# Altium PCB AMP.PcbDoc (part 2 of 5)
Units mil, origin at the board's own origin, x right, y up, seen from the top; angles counter-clockwise.
Board outline 6850 x 4750 mil, 6 copper layers (Top Layer, InternalPlane1, MidLayer1, InternalPlane2, InternalPlane3, Bottom Layer); 484 components, 340 nets, 1840 pads, 888 vias.
Unrouted connection lines stored in the file: 22.
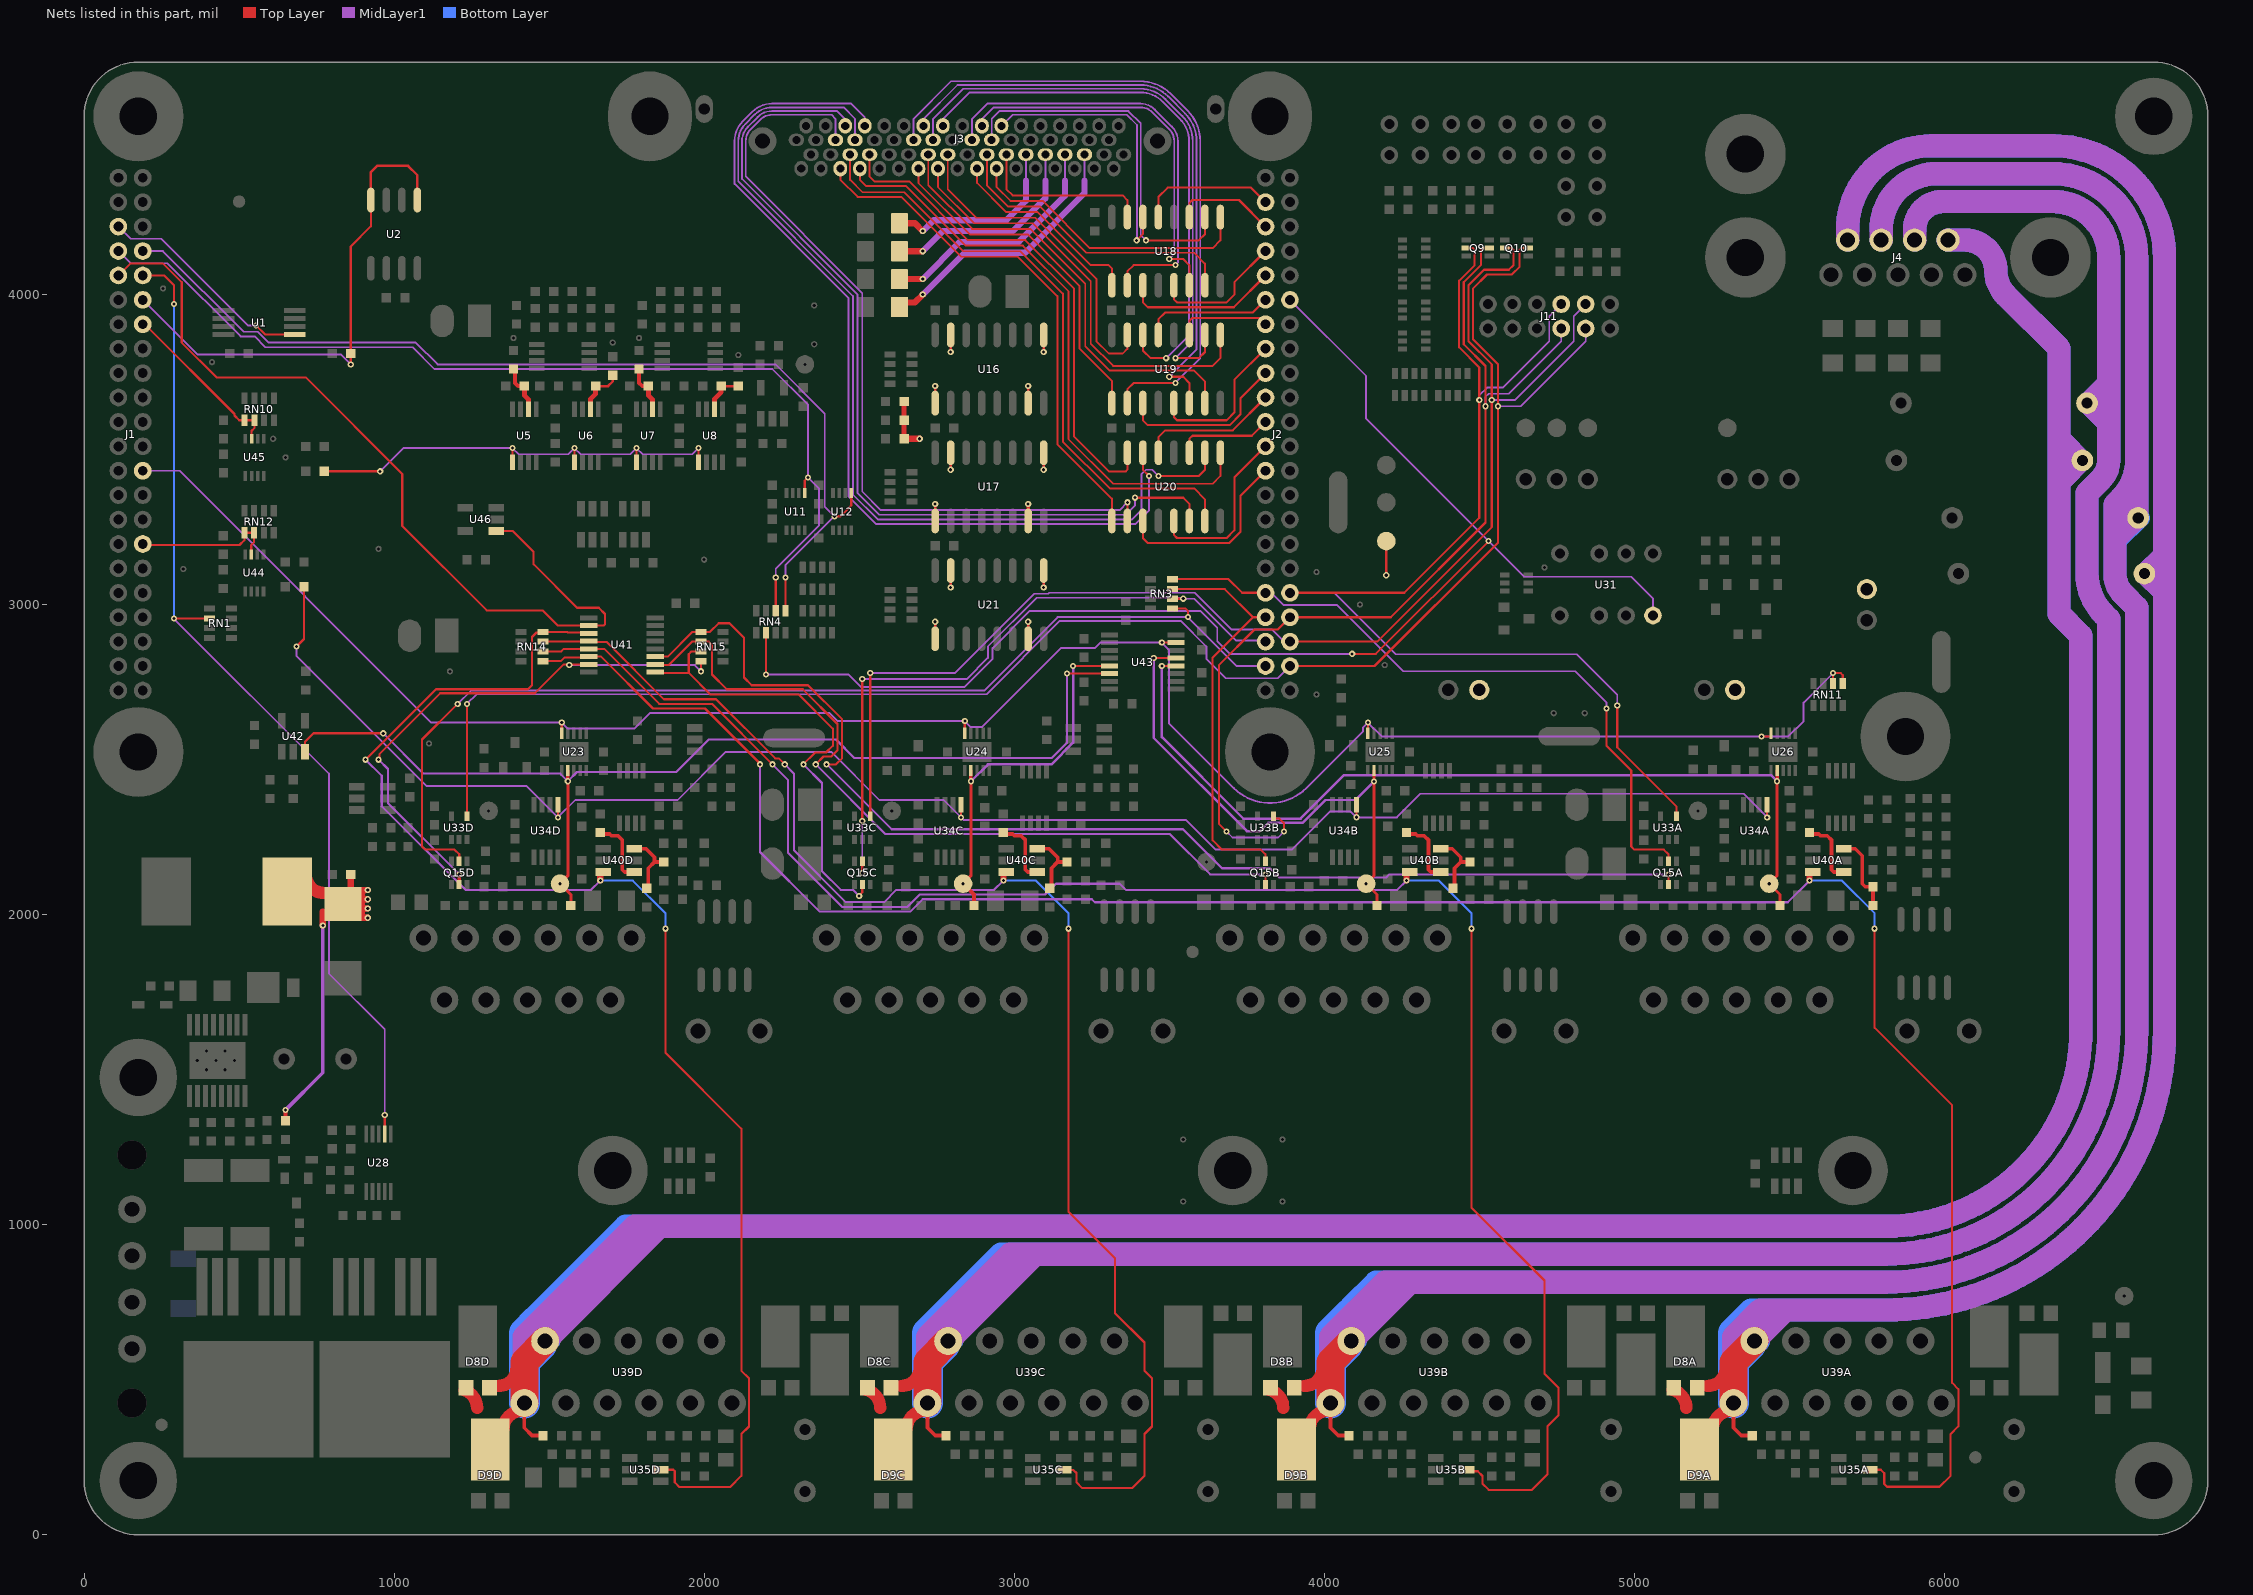
[diagram p6: the nets of this part, all layers, seen from the top]

## Part data
C1 C2 C3 C4 C5 C6 C7 C8 C9 C10 C11 C12 C14 C15 C16 C24 C34 C35 C36 C37 C39 C40 C41 C42 C43 C46 C47 C48 C55 C56 C57 C59 C61 C62 C65A C65B C65C C65D C66A C66B C66C C66D C67A C67B C67C C67D C68A C68B C68C C68D C69A C69B C69C C69D C70A C70B C70C C70D C71A C71B C71C C71D C73A C73B C73C C73D C76A C76B C76C C76D C77A C77B C77C C77D C78A C78B C78C C78D C79A C79B C79C C79D C82A C82B C82C C82D C87 C88 C92 C93 C96 C97 C98 C99 C100 C101 C102 C103 C104: library part CAP-GND
C13 C27 C28 C29 C30 C31 C63 C64 C72A C72B C72C C72D C75A C75B C75C C75D C89A C89B C89C C89D C90A C90B C90C C90D C105: library part CAP
C17 C18 C19: library part CAP-POL-GND, Voltage=10V
C20 C21 C22 C23: library part CAP-POL-GND, Voltage=6V
C25: library part CAP-POL-GND, Voltage=20V
C26 C85A C85B C85C C85D: library part CAP-POL-GND, Voltage=63V
C32 C33 C38 C44 C45 C49 C50 C51 C52 C53 C54 C58 C60 C80A C80B C80C C80D C81A C81B C81C C81D: library part CAP-MINI
C74A C74B C74C C74D: library part CAP, Package=(1206), Voltage=100V
C83A C83B C83C C83D C84A C84B C84C C84D C86A C86B C86C C86D: library part CAP, Voltage=100V
C91A C91B C91C C91D: library part CAP-MINI, Voltage=100V
C94 C95: library part CAP-GND, Voltage=100V
D1 D2: library part LED-DUAL-2C
D3: library part LED-QUAD
D4: library part ZENER-DUAL-CC, Voltage=6.8V
D5 D6 D13: library part DIODE
D7: library part "DIODE GND/A"
D8A D8B D8C D8D D9A D9B D9C D9D D10A D10B D10C D10D D11A D11B D11C D11D: library part DIODE-SOT23
D12: library part ZENER-DUAL-TVS, Voltage=60V
J3: "Molex Part #71430-0008"
J11: library part "HEADER 6X2-1"
L1: library part INDUCTOR-MINI
M1 M2 M3 M4 M5 M6 M7 M8 M9 M10 M11 M12 M13: "Mounting Hole"
Q1 Q2 Q12: library part NPN-SM
Q5 Q6 Q7 Q8: library part MOSFET-N/P-6
Q9 Q10 Q11 Q15A Q15B Q15C Q15D: library part MOSFET-N-DUAL6
Q13 Q14: library part MOSFET-N-TO263-7
R1 R2 R3 R4 R5 R6 R7 R8 R9 R10 R11 R12 R17 R18 R19 R20 R21 R22 R23 R27 R28 R29 R30 R31 R34 R35 R36 R37 R38 R39 R40A R40B R40C R40D R41A R41B R41C R41D R42A R42B R42C R42D R43A R43B R43C R43D R44A R44B R44C R44D R45A R45B R45C R45D R46A R46B R46C R46D R47A R47B R47C R47D R49A R49B R49C R49D R50A R50B R50C R50D R51A R51B R51C R51D R52 R53 R54A R54B R54C R54D R55A R55B R55C R55D R56A R56B R56C R56D R57A R57B R57C R57D R58A R58B R58C R58D R59A R59B R59C R59D R62A R62B R62C R62D R63A R63B R63C R63D R64 R65 R66 R67 R68 R69 R71 R72 R73 R74 R76 R77 R78 R79: library part R
  R50A R50B R50C R50D R51A R51B R51C R51D R59A R59B R59C R59D: Tol=0.1%
  R63A R63B R63C R63D: Type=Carbon
R13 R14 R15 R16: library part R-MINI
R24 R25 R26 R32 R33 R48A R48B R48C R48D R60A R60B R60C R60D R61A R61B R61C R61D R75: library part R-GND
  R60A R60B R60C R60D: Tol=0.1%
R70: library part R, Power=0.5W
RN1 RN2 RN4 RN9 RN10 RN11 RN12: library part RN-DISC-SM-4X
RN3 RN5 RN6 RN7 RN8 RN13 RN14 RN15: library part RN-DISC-SM-4
U3 U4 U36A U36B U36C U36D: library part OPAMP-DUAL-PWR-MINI
U5 U6 U7 U8 U34A U34B U34C U34D: library part LTC1864
U9 U10 U13 U14: library part 2G17, "NC7WZ17"
U15: library part LP2985
U16 U17 U18 U19 U20 U21: library part DS26LV32AT
U22: library part LT6700-SOT
U32A U32B U32C U32D: library part AP7333R
U33A U33B U33C U33D: library part 1G08
U40A U40B U40C U40D: library part TS5A3159
U42: library part LMV331, "Comparator, SOT-23-5"
U41: Built_By=EMA_UL_Team, Copyright="Copyright (C) 2021 Accelerated Designs. All rights reserved", Manufacturer_Part_Number=MAX7317AEE+, RefDes=RefDes, Revision=1, SourceLibrary=Maxim_2011-10-27, Type=DEV, Vendor="Maxim Integrated Products"

## Free pads (board coordinates)
  round 25 hole 10 paste-100 mask-5: 0(365,1530) 0(395,1500) 0(395,1560) 0(455,1500) 0(455,1560) 0(485,1530) 1(425,1530)
  round 60 / inner round 20 / far side round 60 hole 10 paste-100: 0(1305,2335) 0(2325,3775) 0(2605,2335) 0(3620,2170) 0(5205,2335)
  round 20 / inner round 20 / far side round 60 hole 10 paste-100: 0(1385,3860) 0(1705,3845) 0(1790,3860) 0(2110,3805)
  round 60 / inner round 20 / far side round 20 hole 10 paste-40: 0(1535,2100) 0(2835,2100) 0(4135,2100)
  oval 200x60 smd paste-100: 0(2290,2570) 0(4790,2575)
  round 20 hole 10 paste-100 mask+2: 0(3545,1275) 0(3865,1075) 1(320,3115) 1(650,3475) 1(950,3180) 1(1180,2785) 1(2000,3145) 1(3545,1075) 1(3865,1275) 1(3975,2710) 1(3975,3105) 1(4115,3000) 1(4195,2805) 1(4710,3120) 1(4740,2650) 1(4840,2650)
  oval 60x200 smd paste-100: 0(4045,3330) 0(5990,2815)
  round 60 smd paste-100: 0(4200,3205) 0(4200,3330) 0(4200,3450) 0(4650,3570) 0(4750,3570) 0(4850,3570) 0(5300,3570)
  round 260 / inner round 160 / far side round 250 hole 120 paste-100: 0(5358,4453)
  round 60 / inner round 20 / far side round 20 hole 10 paste-340: 0(5435,2100)
  round 20 hole 10 mask+2: 1(255,4020) 1(412.6,3782) 1(610,3535) 1(1112.6,2552) 1(2355,3840) 1(2355,3965)
  round 60 hole 10: ""(6580,770)

## Via types
v1: diameter 20, hole 10, Top Layer to Bottom Layer, tented both sides, 888 vias

## Nets (pads, with @x,y where several pads share a name; then routed paths per layer and width w, separated by ;. In a path a pad name is that pad's centre, name@x,y a point inside that pad or via, vN(x,y) a via of type N, cw(c..) or ccw(c..) an arc to the next point about the centre after c; other vN are vias at no path point)
2.5V: C48.1 R23.2 R24.1 U16.1 U16.7 U16.9 U16.15 U17.1 U17.7 U17.9 U17.15 U21.1 U21.7 U21.9 U21.15 | length 830
  Top Layer w8: U21.1@2745,2890 v1(2745,2945) ; U17.1@2745,3270 v1(2745,3325) ; U16.1@2745,3650 v1(2745,3705) ; v1(2795,3055) U21.15@2795,3110 ; v1(2795,3435) U17.15@2795,3490 ; v1(2795,3815) U16.15@2795,3870 ; U21.7@3045,2890 v1(3045,2945) ; U16.7@3045,3650 v1(3045,3705) ; v1(3095,3055) U21.9@3095,3110 ; v1(3095,3435) U17.9@3095,3490 ; v1(3095,3815) U16.9@3095,3870
  Top Layer w12: U17.7@3045,3270 v1(3045,3325)
  Top Layer w16: C48.1@2645,3535 R24.1@2645,3595 R23.2@2645,3655
  Top Layer w20: C48.1@2645,3535 v1(2695,3535)
12V: C25.1 C55.1 J6.1 J7.1 J8.1 L1.2 pad.0@4200,3205 R31.1 | length 1180.3
  Top Layer w7: v1(4200,3095) pad.0@4200,3205
  Top Layer w12: R31.1@650,1340 v1(650,1370)
  Top Layer w20: v1(770,1965) 770,2010 ; C25.1@860,2075 C55.1@860,2130 ; C25.1@890,1990 v1@910,1990 ; C25.1@890,2080 v1@910,2080 ; v1(915,1990) v1@910,1990 ; v1(915,2020) v1@910,2020 ; v1(915,2050) v1@910,2050 ; v1(915,2080) v1@910,2080 ; v1@910,1990 cw(c910,2005) v1@910,2020 ; v1@910,2020 cw(c910,2035) v1@910,2050 ; v1@910,2050 cw(c910,2065) v1@910,2080
  Top Layer w40: L1.2@715,2130 ccw(c775,2130) C25.1@775,2070
  MidLayer1 w12: v1(650,1370) 770,1490 v1(770,1965)
/DAC: J1.25 RN11.1 RN11.2 U23.5 U24.5 U25.5 U26.5 U43.7 | length 6821.3
  Top Layer w7: U23.5@1540.63,2585 v1(1540.63,2619.68) ; U24.5@2840.63,2585 v1(2840.63,2624.68) ; v1(3476.02,2877.5) U43.7@3522.25,2877.5 ; U25.5@4140.63,2585 v1(4140.63,2619.68) ; v1(5410,2575) U26.5@5440.63,2575 ; RN11.2@5640.75,2745.5 v1(5640.75,2779.25) 5665.75,2779.25 5672.24,2772.76 RN11.1@5672.24,2745.5
  MidLayer1 w6: J1.25@189.37,3431.89 308.11,3431.89 1120.31,2619.68 v1(1540.63,2619.68) 1560.31,2600 1775,2600 1825,2650 2405,2650 2430.32,2624.68 v1(2840.63,2624.68) 2860.32,2605 2895,2605 3150,2860 3260,2860 3277.5,2877.5 v1(3476.02,2877.5) 3499,2854.52 3499,2617.65 3708.33,2408.33 ccw(c3825,2525) 3941.67,2408.33 4125,2591.65 4125,2604.06 v1(4140.63,2619.68) 4185.32,2575 v1(5410,2575) 5496.5,2575 5545.75,2624.25 5545.75,2684.25 v1(5640.75,2779.25)
/EEPROM: J1.6 U1.1 | length 713.4
  Top Layer w7: v1(555,3900) 583.39,3871.61 U1.1@680,3871.61
  MidLayer1 w6: J1.6@110.63,4219.29 150,4179.92 249.39,4179.92 529.31,3900 v1(555,3900)
/FAULT1: J2.35 J11.7 Q9.2 U33A.4 | length 3764.6
  Top Layer w7: J2.35@3889.37,3038.19 4258.19,3038.19 4500,3280 v1(4500,3660) 4500,3765 4435,3830 4435,4045 4485,4095 4485,4145 4480,4150 Q9.2@4457.5,4150 ; v1(4945,2675) 4945,2540 5135.59,2349.41 U33A.4@5135.59,2317.5
  MidLayer1 w6: J2.35@3889.37,3038.19 4031.81,3038.19 4230,2840 4815,2840 4945,2710 v1(4945,2675) ; v1(4500,3660) 4500,3675 4525,3700 4575.74,3700 4725.74,3850 4725.74,3930.74 J11.7@4764.37,3969.37
/FAULT2: J2.37 J11.8 Q9.5 U33B.4 | length 3217.8
  Top Layer w7: v1(3685,2268) 3660,2293 3660,2805.08 3775,2920.08 3850,2920.08 J2.37@3889.37,2959.45 4214.45,2959.45 4520,3265 v1(4520,3640) 4520,3770 4450,3840 4450,4040 4505,4095 4505,4145 4510,4150 Q9.5@4532.5,4150 ; U33B.4@3835,2310 3855,2310 3870,2295 v1(3870,2268)
  MidLayer1 w6: v1(3685,2268) 3704,2249 3851,2249 v1(3870,2268) ; v1(4520,3640) 4520,3670 4530,3680 4594.37,3680 4764.37,3850 J11.8@4764.37,3890.63
/FAULT3: J2.39 J11.9 Q10.2 U33C.4 | length 4314.4
  Top Layer w7: U33C.4@2535.59,2317.5 v1(2535.59,2780) ; J2.39@3889.37,2880.71 4170.71,2880.71 4540,3250 v1(4540,3660) 4540,3775 4465,3850 4465,4030 4515,4080 4595,4080 4610,4095 4610,4145 4605,4150 Q10.2@4582.5,4150
  MidLayer1 w6: v1(2535.59,2780) 2810,2780 3065,3035 3110,3035 3113.25,3038.25 3581.75,3038.25 3699.92,2920.08 3831.18,2920.08 J2.39@3870.55,2880.71 ; v1(4540,3660) 4614.48,3660 4804.48,3850 4804.48,3930.74 J11.9@4843.11,3969.37
/FAULT4: J2.41 J11.10 Q10.5 U33D.4 | length 5606.3
  Top Layer w7: U33D.4@1235.59,2317.5 v1@1235.59,2679.41 ; J2.41@3889.37,2801.97 4161.97,2801.97 4560,3200 v1(4560,3640) 4560,3775 4480,3855 4480,4020 4525,4065 4605,4065 4630,4090 4630,4145 4635,4150 Q10.5@4657.5,4150
  MidLayer1 w6: v1(1235,2680) 1266,2711 2911,2711 3147.5,2947.5 3537.5,2947.5 3620,2865 3620,2825 3682.4,2762.6 3850,2762.6 J2.41@3889.37,2801.97 ; v1(4560,3640) 4633.11,3640 4843.11,3850 J11.10@4843.11,3890.63
/IOEXP: J1.10 U41.2 U46.1 | length 2800.8
  Top Layer w7: J1.10@110.63,4061.81 148.82,4100 255,4100 315,4040 315,3845 427,3733 715,3733 1026.5,3421.5 1026.5,3253.5 1298.5,2981.5 1478.5,2981.5 1527.5,2932.5 U41.2@1627.75,2932.5 1675.9,2932.5 1680,2936.6 1680,2970 1660,2990 1590,2990 1450,3130 1450,3170 1382.5,3237.5 U46.1@1330,3237.5
/MOTOR1: D8A.1 D8A.2 D9A.3 J4.6 R57A.2 R63A.2 U39A.1 U39A.2 | length 13647.4
  Top Layer w12: U39A.1@5320,425 5320,345 5345,320 R57A.2@5380,320
  Top Layer w40: D8A.1@5123.03,467.96 cw(c5107.5,410) 5167.5,410 ; 5235,480 ccw(c5235,540) 5295,540 ; D9A.3@5252.5,340 cw(c5312.5,340) U39A.1@5312.5,400
  Top Layer w90: U39A.1@5320,425 5320,558 U39A.2@5387,625
  MidLayer1 w65: 6705,3040 R63A.2@6645,3100 6705,3160
  MidLayer1 w75: U39A.1@5320,425 5320,558 ; J4.6@5688,4176 5688,4210 cw(c5958,4210) 5958,4480 6342,4480 ; 6350,4480 cw(c6350,4120) 6710,4120 6710,1625 cw(c5810,1625) 5810,725 5487,725 ; 5320,558 5320,638 5407,725 5487,725 ; 5320,558 U39A.2@5387,625 5487,725
  Bottom Layer w50: U39A.2@5412,625 5412,672.5 5412,725
  Bottom Layer w65: 6705,3040 R63A.2@6645,3100 6705,3160
  Bottom Layer w75: 5377,725 5412,725 5500,725 ; U39A.2@5400,625 cw(c5500,625) 5412,672.5 cw(c5500,625) 5500,725 ; J4.6@5688,4210 cw(c5958,4210) 5958,4480 6025,4480 6350,4480 cw(c6350,4120) 6710,4120 6710,1625 cw(c5810,1625) 5810,725 5500,725
  Bottom Layer w100: U39A.1@5320,425 5320,558 ; U39A.2@5375,613 5320,558 ; 5382,712.5 5320,650.5 5320,558
/MOTOR2: D8B.1 D8B.2 D9B.3 J4.7 R57B.2 R63B.2 U39B.1 U39B.2 | length 15744.7
  Top Layer w12: U39B.1@4020,425 4020,345 4045,320 R57B.2@4080,320
  Top Layer w40: D8B.1@3823.03,467.96 cw(c3807.5,410) 3867.5,410 ; 3935,480 ccw(c3935,540) 3995,540 ; D9B.3@3952.5,340 cw(c4012.5,340) U39B.1@4012.5,400
  Top Layer w90: U39B.1@4020,425 4020,558 U39B.2@4087,625
  MidLayer1 w65: 6560,3215 R63B.2@6625,3280
  MidLayer1 w75: U39B.1@4020,425 4020,558 ; J4.7@5796,4176 5796,4210 cw(c5976,4210) 5976,4390 6342,4390 ; 6350,4390 cw(c6350,4120) 6620,4120 R63B.2@6620,3280 ; 6620,3465 cw(c6445,3465) 6568.74,3341.26 6550,3322.51 6550,3100 ccw(c6645,3100) 6577.82,3032.82 6620,2990.65 6620,1625 cw(c5810,1625) 5810,815 4277,815 ; 4020,558 4020,638 4197,815 4277,815 ; 4020,558 U39B.2@4087,625 4277,815
  Bottom Layer w50: U39B.2@4112,625 4112,754.52
  Bottom Layer w65: 6560,3210 R63B.2@6630,3280
  Bottom Layer w75: 4087,735 4167,815 5810,815 ccw(c5810,1625) 6620,1625 6620,2990.65 6577.82,3032.82 cw(c6645,3100) 6550,3100 6550,3322.51 6568.74,3341.26 ccw(c6445,3465) 6620,3465 ; J4.7@5796,4210 cw(c5976,4210) 5976,4390 6025,4390 6350,4390 cw(c6350,4120) 6620,4120 R63B.2@6620,3280
  Bottom Layer w100: U39B.1@4020,425 4020,558 ; U39B.2@4075,613 4020,558 ; 4087,717.5 4040.75,671.25 4039.5,670 4020,650.5 4020,558
/MOTOR3: D8C.1 D8C.2 D9C.3 J4.8 R57C.2 R63C.2 U39C.1 U39C.2 | length 17520.8
  Top Layer w12: U39C.1@2720,425 2720,345 2745,320 R57C.2@2780,320
  Top Layer w40: D8C.1@2523.03,467.96 cw(c2507.5,410) 2567.5,410 ; 2635,480 ccw(c2635,540) 2695,540 ; D9C.3@2652.5,340 cw(c2712.5,340) U39C.1@2712.5,400
  Top Layer w90: U39C.1@2720,425 2720,558 U39C.2@2787,625
  MidLayer1 w65: 6520,3590 R63C.2@6460,3650 6520,3710
  MidLayer1 w75: U39C.1@2720,425 2720,558 ; J4.8@5904,4176 5904,4210 cw(c5994,4210) 5994,4300 6342,4300 ; 6350,4300 cw(c6350,4120) 6530,4120 6530,3465 cw(c6445,3465) 6505.1,3404.9 6460,3359.79 6460,3100 ccw(c6645,3100) 6514.19,2969.19 6530,2953.37 6530,1625 cw(c5810,1625) 5810,905 3067,905 ; 2720,558 2720,638 2897,815 ; 2720,558 U39C.2@2787,625 2977,815 ; 2897,815 2987,905 3067,905 ; 2897,815 2977,815 ; 2977,815 3067,905
  Bottom Layer w50: U39C.2@2812,625 2812,754.52
  Bottom Layer w65: 6520,3590 R63C.2@6460,3650 6520,3710
  Bottom Layer w75: 2787,735 2957,905 5810,905 ccw(c5810,1625) 6530,1625 6530,2953.37 6514.19,2969.19 cw(c6645,3100) 6460,3100 6460,3359.79 6505.1,3404.9 ccw(c6445,3465) 6530,3465 6530,4120 ccw(c6350,4120) 6350,4300 6025,4300 5994,4300 ccw(c5994,4210) J4.8@5904,4210
  Bottom Layer w100: U39C.1@2720,425 2720,558 ; U39C.2@2775,613 2720,558 ; 2787,717.5 2740.75,671.25 2739.5,670 2720,650.5 2720,558
/MOTOR4: D8D.1 D8D.2 D9D.3 J4.9 R57D.2 R63D.2 U39D.1 U39D.2 | length 18827.3
  Top Layer w12: U39D.1@1420,425 1420,345 1445,320 R57D.2@1480,320
  Top Layer w40: D8D.1@1228.02,466.38 cw(c1207.5,410) 1267.5,410 ; 1335,480 ccw(c1335,540) 1395,540 ; D9D.3@1352.5,340 cw(c1412.5,340) U39D.1@1412.5,400
  Top Layer w90: U39D.1@1420,425 1420,558 U39D.2@1487,625
  MidLayer1 w65: 6385,3405 R63D.2@6445,3465 6385,3525
  MidLayer1 w75: U39D.1@1420,425 1420,558 ; J4.9@6012,4176 6066,4176 cw(c6066,4076) 6166,4076 ccw(c6276,4076) 6198.22,3998.22 6370,3826.44 6370,2970 6440,2900 6440,1625 cw(c5810,1625) 5810,995 1857,995 ; 1420,558 1420,638 1777,995 1857,995 ; 1420,558 U39D.2@1487,625 1857,995
  Bottom Layer w50: U39D.2@1512,625 1512,754.52
  Bottom Layer w65: 6385,3405 R63D.2@6445,3465 6385,3525
  Bottom Layer w75: 1487,735 1747,995 5810,995 ccw(c5810,1625) 6440,1625 6440,2900 6370,2970 6370,3826.44 6198.22,3998.22 cw(c6276,4076) 6166,4076 ccw(c6066,4076) 6066,4176 J4.9@6012,4176
  Bottom Layer w100: U39D.1@1420,425 1420,558 ; U39D.2@1475,613 1420,558 ; 1487,717.5 1440.75,671.25 1439.5,670 1420,650.5 1420,558
/MV-FLT: J1.9 RN1.6 U28.7 | length 3247.7
  Top Layer w7: J1.9@189.37,4061.81 258.19,4061.81 290,4030 v1(290,3970) ; v1(290,2955) 290.37,2955.37 404.13,2955.37 RN1.6@404.5,2955.75 ; U28.7@969.69,1292.5 v1(969.69,1354.37)
  MidLayer1 w6: v1(290,2955) 790,2455 790,1810 969.69,1630.32 v1(969.69,1354.37)
  Bottom Layer w7: v1(290,2955) v1(290,3970)
/RELAY: J2.11 RN4.2 U31.4 | length 4542.1
  Top Layer w7: v1(2199.25,2775) RN4.2@2199.25,2909.5 ; v1(4090,2841.34) 4166.34,2841.34 v1(4530,3205)
  MidLayer1 w6: v1(2199.25,2775) 2465,2775 2505,2735 2840,2735 2930,2825 2930,2860 3050,2980 3600,2980 3655,2925 3655,2881.97 3695.63,2841.34 v1(4090,2841.34) ; J2.11@3889.37,3983.07 4135,3737.44 4135,3600 v1(4530,3205) 4645,3090 4990,3090 5060,3020 U31.4@5060,2965
/V-FAULT: J1.11 R29.2 U2.5 U2.8 | length 1654.4
  Top Layer w7: v1(860,3775) R29.2@860,3810 860,4155 925,4220 U2.8@925,4305
  Top Layer w8: U2.8@925,4305 925,4395 945,4415 1045,4415 1075,4385 U2.5@1075,4305
  MidLayer1 w6: J1.11@189.37,3983.07 365.49,3806.95 828.05,3806.95 v1(860,3775)
ADC1: C5.1 R9.2 U5.2 | length 161.5
  Top Layer w12: R9.2@1385,3760 1390,3755 1390,3715 1400,3705 C5.1@1420,3705
  Top Layer w16: C5.1@1420,3705 1420,3675 1432.8,3662.2 U5.2@1432.8,3630
ADC2: C7.1 R11.2 U7.2 | length 154.4
  Top Layer w12: R11.2@1790,3755 1790,3715 1800,3705 C7.1@1820,3705
  Top Layer w16: C7.1@1820,3705 1820,3675 1832.8,3662.2 U7.2@1832.8,3630
ADC3: C6.1 R10.2 U6.2 | length 163.3
  Top Layer w8: C6.1@1650,3705 1690,3705 1705,3720 R10.2@1705,3740
  Top Layer w16: U6.2@1632.8,3630 1632.8,3662.8 1650,3680 C6.1@1650,3705
ADC4: C8.1 R12.2 U8.2 | length 139.2
  Top Layer w8: C8.1@2055,3705 R12.2@2110,3705
  Top Layer w16: U8.2@2032.8,3630 2032.8,3662.8 2055,3685 C8.1@2055,3705
CONV-CUR: R76.2 U34A.5 U34B.5 U34C.5 U34D.5 | length 5694.5
  Top Layer w7: v1(685,2865) 709.25,2889.25 R76.2@709.25,3057.38 ; v1(1528.39,2314) U34D.5@1528.39,2355 ; v1(2828.39,2314) U34C.5@2828.39,2355 ; v1(4103.43,2314.5) U34B.5@4103.39,2355 ; v1(5428.39,2314) U34A.5@5428.39,2355
  MidLayer1 w6: v1(685,2865) 685,2835 1105,2415 1427.39,2415 v1(1528.39,2314) 1584.39,2370 1915,2370 2070,2525 2410,2525 2565,2370 2772.39,2370 v1(2828.39,2314) 2837.39,2305 3555,2305 3650,2210 3895.74,2210 4018.74,2333 4084.39,2333 4102.89,2314.5 v1(4103.43,2314.5) ; v1@4103.48,2314 4234,2314 4310,2390 5352.39,2390 v1(5428.39,2314)
CONV-CUR3: J1.31 RN12.1 RN12.2 U44.7 | length 464.1
  Top Layer w6: J1.31@189.37,3195.67 J1.31@192.66,3192.38
  Top Layer w7: J1.31@192.66,3192.38 501.39,3192.38 517.01,3207.99 RN12.1@517.01,3231.88 RN12.2@548.5,3231.88 548.5,3201.47 539.41,3192.38 U44.7@539.41,3162.38
CONV-POT: R78.2 U5.5 U6.5 U7.5 U8.5 | length 1467.4
  Top Layer w7: R78.2@775,3430 v1(955,3430) ; U5.5@1381.61,3460 v1(1381.61,3505) ; U6.5@1581.61,3460 v1(1581.61,3505) ; U7.5@1781.61,3460 v1(1781.61,3505) ; U8.5@1981.61,3460 v1(1981.61,3505)
  MidLayer1 w6: v1(955,3430) 1030,3505 v1(1381.61,3505) 1401.61,3485 1561.61,3485 v1(1581.61,3505) 1601.61,3485 1761.61,3485 v1(1781.61,3505) 1801.61,3485 1961.61,3485 v1(1981.61,3505)
CONV-POT3: J1.13 RN10.1 RN10.2 U45.7 | length 554.4
  Top Layer w6: J1.13@189.37,3904.33 J1.13@195.67,3904.33
  Top Layer w7: J1.13@195.67,3904.33 485,3615 485,3610 500.5,3594.5 RN10.1@517.76,3594.5 RN10.2@549.25,3594.5 549.25,3569.25 540.16,3560.16 U45.7@540.16,3535
CUR-CTRL1: RN14.1 U35A.5 U40A.6 U41.6 | length 7191.9
  Top Layer w7: RN14.1@1480.5,2817.76 1537.76,2817.76 1550,2830 1625.25,2830 U41.6@1627.75,2832.5 1667.5,2832.5 1669.98,2830.02 1835,2665 2002.58,2665 2180,2487.58 v1(2180,2485) ; U40A.6@5571,2137.5 U40A.6@5575,2133.5 ; U35A.5@5760,210 5795,210 5806.25,198.75 5806.25,163.75 5815,155 5984.5,155 6020,190.5 6020,325 6045,350 6045,470 6025,490 6025,1385 5775,1635 v1(5775,1955)
  Top Layer w20: v1(5565,2110) 5565,2131.5 U40A.6@5571,2137.5
  MidLayer1 w7: v1(2180,2485) 2180,2202.42 2372.42,2010 2665,2010 2705,2050 3250,2050 3260,2040 5495,2040 v1(5565,2110)
  Bottom Layer w7: v1(5565,2110) 5670,2110 5775,2005 v1(5775,1955)
CUR-CTRL2: RN14.2 U35B.5 U40B.6 U41.5 | length 5854.7
  Top Layer w7: RN14.2@1480.5,2849.25 1539.25,2849.25 1547.5,2857.5 U41.5@1627.75,2857.5 1677.5,2857.5 1855,2680 2025,2680 v1(2220,2485) ; U35B.5@4465,210 4470,205 4495,205 4510,190 4510,165 4530,145 4670,145 4720,195 4720,350 4755,385 4755,475 4710,520 4710,820 4475,1055 v1(4475,1955)
  Top Layer w20: v1(4265,2110) U40B.6@4265,2131.5
  MidLayer1 w7: v1(2220,2485) 2270,2435 2270,2200.48 2445.48,2025 2655,2025 2695,2065 3099.5,2065 3134.5,2100 3340,2100 3360,2080 4235,2080 v1(4265,2110)
  Bottom Layer w7: v1(4265,2110) 4370,2110 4475,2005 v1(4475,1955)
CUR-CTRL3: RN14.3 U35C.5 U40C.6 U41.4 | length 4559.1
  Top Layer w7: RN14.3@1480.5,2880.75 1481.38,2881.62 1626.87,2881.62 U41.4@1627.75,2882.5 1630.25,2880 1685,2880 1870,2695 2038.38,2695 2229.19,2504.19 2240.81,2504.19 v1(2260,2485) ; U40C.6@2971,2137.5 U40C.6@2975,2133.5 ; U35C.5@3160,210 3161.4,208.6 3191.4,208.6 3200.78,199.22 3200.78,169.22 3219.5,150.5 3380,150.5 3420,190.5 3420,325 3444.5,349.5 3444.5,505.12 3420,529.62 3420,620 3325,715 3325,891.62 3175,1041.62 v1@3175,1950 ; v1@3170,1955 v1@3175,1950 ; v1(3175,1955) v1@3175,1950
  Top Layer w20: v1(2965,2110) 2965,2131.5 U40C.6@2971,2137.5
  MidLayer1 w7: v1(2260,2485) 2290,2455 2290,2207.42 2456.92,2040.5 2580.5,2040.5 2620,2080 2935,2080 v1(2965,2110)
  Bottom Layer w7: v1(2965,2110) 3070,2110 3175,2005 v1(3175,1955)
CUR-CTRL4: RN14.4 U35D.5 U40D.6 U41.3 | length 4531.1
  Top Layer w7: v1(908,2500) 1135,2727 1432,2727 1445,2740 1445,2895.9 1459.1,2910 1478.26,2910 RN14.4@1480.5,2912.24 1557.76,2912.24 1560,2910 1625.25,2910 U41.3@1627.75,2907.5 ; U40D.6@1671,2137.5 U40D.6@1675,2133.5 ; U35D.5@1865,210 1900,210 1905,205 1905,169.25 1920,154.25 2083.75,154.25 2120,190.5 2120,325 2144.5,349.5 2144.5,505.12 2120,529.62 2120,1310 1875,1555 v1@1875,1950 ; v1@1870,1955 v1@1875,1950 ; v1(1875,1955) v1@1875,1950
  Top Layer w20: v1(1665,2110) 1665,2131.5 U40D.6@1671,2137.5
  MidLayer1 w7: v1(908,2500) 960,2448 960,2350 1230,2080 1635,2080 v1(1665,2110)
  Bottom Layer w7: v1(1665,2110) 1770,2110 1875,2005 v1(1875,1955)
DIR12: J1.8 RN4.6 U11.5 | length 3220.6
  Top Layer w7: RN4.6@2230.75,2980.5 v1(2230.75,3087.24) ; U11.5@2324.53,3360 2324.53,3399.53 v1(2335,3410)
  MidLayer1 w6: J1.8@110.63,4140.55 150,4101.18 268.82,4101.18 505,3865 550,3865 585,3830 1060,3830 1130,3760 2220,3760 2335,3645 v1(2335,3410) 2370,3375 2370,3255 2230.75,3115.75 v1(2230.75,3087.24)
DIR34: J1.7 RN4.5 U12.5 | length 3239.9
  Top Layer w7: RN4.5@2262.24,2980.5 v1(2262.24,3087.24) ; v1(2420,3285) 2440,3285 2474.53,3319.53 U12.5@2474.53,3360
  MidLayer1 w6: J1.7@189.37,4140.55 254.45,4140.55 515,3880 560,3880 595,3845 1070,3845 1140,3775 2230,3775 2389,3616 2389,3316 v1(2420,3285) 2262.24,3127.24 v1(2262.24,3087.24)
DISABLE1: J2.36 Q15A.5 RN3.8 | length 2215
  Top Layer w7: RN3.8@3510.5,3082.24 3690.95,3082.24 3735,3038.19 J2.36@3810.63,3038.19 ; v1(4910,2665) 4910,2545 4990,2465 4990,2220 5000,2210 5095,2210 5110,2195 Q15A.5@5110,2172.5
  MidLayer1 w6: J2.36@3810.63,3038.19 3829.45,3038.19 3868.82,2998.82 4041.18,2998.82 4255,2785 4810,2785 4910,2685 v1(4910,2665)
DISABLE2: J2.38 Q15B.5 RN3.7 | length 1321.3
  Top Layer w7: RN3.7@3511.25,3050 3679.45,3050 3770,2959.45 ; Q15B.5@3810,2172.5 3810,2195 3795,2210 3670,2210 3640,2240 3640,2829.45 3770,2959.45 ; J2.38@3810.63,2959.45 3770,2959.45
DISABLE3: J2.40 Q15C.5 RN3.6 | length 2187.2
  Top Layer w7: v1(2510,2135) Q15C.5@2510,2172.5 ; v1(2510,2302) v1(2510,2760) ; RN3.6@3510.5,3019.25 v1(3545,3019.25)
  MidLayer1 w6: v1(2510,2135) v1(2510,2302) ; v1(2510,2760) 2846.87,2760 2915,2828.13 2915,2865 3072.5,3022.5 3541.75,3022.5 v1(3545,3019.25) 3580.75,3019.25 3716,2884 3807.34,2884 J2.40@3810.63,2880.71 J2.40@3810.28,2880.35
DISABLE4: J2.42 Q15D.5 RN3.5 | length 3529.5
  Top Layer w6: RN3.5@3517.01,2981.25 RN3.5@3510.5,2987.76 3552.24,2987.76 3560,2980 v1(3560,2960)
  Top Layer w7: v1(1205,2680) 1090,2565 1090,2220 1100,2210 1195,2210 1210,2195 Q15D.5@1210,2172.5
  MidLayer1 w6: v1(1205,2680) 1248,2723 2903,2723 3140,2960 v1(3560,2960) 3718.03,2801.97 J2.42@3810.63,2801.97
DISABLE-F1: Q15A.2 RN15.5 U41.11 | length 3937
  Top Layer w7: U41.11@1842.25,2832.5 1882.5,2832.5 1962.24,2912.24 RN15.5@1989.5,2912.24 2019.06,2912.24 2046.82,2940 2081.62,2940 2128.31,2893.31 2128.31,2765 2153.31,2740 2335,2740 2445,2630 2445,2505 2425,2485 v1(2395,2485) ; Q15A.2@5110,2097.5 v1(5110,2130)
  MidLayer1 w7: v1(2395,2485) 2604.5,2275.5 3544.5,2275.5 3670,2150 3825,2150 3855,2120 4200,2120 4210,2130 v1(5110,2130)
DISABLE-F2: Q15B.2 RN15.6 U41.10 | length 2589.6
  Top Layer w7: U41.10@1842.25,2807.5 1844.75,2805 1885,2805 1960.75,2880.75 RN15.6@1989.5,2880.75 2015.15,2880.75 2025,2870.9 2025,2775 2073,2727 2318,2727 2430,2615 2430,2530 2410,2510 2385,2510 v1(2360,2485) ; Q15B.2@3810,2097.5 v1(3810,2130)
  MidLayer1 w7: v1(2360,2485) 2585,2260 3502.42,2260 3632.42,2130 v1(3810,2130)
DISABLE-F3: Q15C.2 RN15.7 U41.9 | length 1491.2
  Top Layer w7: U41.9@1842.25,2782.5 1844.75,2780 1950,2780 ; RN15.7@1989.5,2849.25 1959.25,2849.25 1950,2840 1950,2780 ; v1(2320,2485) 2358,2523 2393,2523 2415,2545 2415,2600 2305,2710 2020,2710 1950,2780 ; v1(2500,2060) 2500,2062 2510,2072 Q15C.2@2510,2097.5
  MidLayer1 w7: v1(2320,2485) 2380,2425 2380,2140 2440,2080 2480,2080 v1(2500,2060)
DISABLE-F4: Q15D.2 RN15.8 U41.7 | length 1793.9
  Top Layer w7: v1(950,2500) 952.49,2502.49 952.49,2517.49 1149,2714 1454,2714 1547.5,2807.5 U41.7@1627.75,2807.5 U41.7@1625.25,2805 ; RN15.8@1989.5,2817.76 1989.5,2785.5 v1(1990,2785)
  Top Layer w10: Q15D.2@1210,2097.5 v1(1210,2130)
  MidLayer1 w7: v1(950,2500) 980,2470 980,2360 v1(1210,2130) ; v1(1565,2805) 1970,2805 v1(1990,2785)
DOUT1: J3.24 R64.2 | length 607.5
  Top Layer w20: R64.2@2630,4230 2680,4230 v1(2705,4205)
  MidLayer1 w6: 3037.6,4367.4 J3.24@3037.6,4451.69
  MidLayer1 w20: v1(2705,4205) 2740,4240 2975,4240 3037.6,4302.6 3037.6,4367.4
DOUT2: J3.26 R65.2 | length 682.4
  Top Layer w20: R65.2@2630,4140 v1(2705,4140)
  MidLayer1 w6: 3100.59,4367.4 J3.26@3100.59,4451.69
  MidLayer1 w20: v1(2705,4140) 2770,4205 2995,4205 3100.59,4310.59 3100.59,4367.4
DOUT3: J3.28 R66.2 | length 777.9
  Top Layer w20: R66.2@2630,4050 v1(2705,4050)
  MidLayer1 w6: 3163.58,4367.4 J3.28@3163.58,4451.69
  MidLayer1 w20: v1(2705,4050) 2825,4170 3015,4170 3163.58,4318.58 3163.58,4367.4
DOUT4: J3.30 R67.2 | length 873.5
  Top Layer w20: R67.2@2630,3960 2645,3975 2680,3975 v1(2705,4000)
  MidLayer1 w6: 3226.57,4367.4 J3.30@3226.57,4451.69
  MidLayer1 w20: v1(2705,4000) 2840,4135 3035,4135 3226.57,4326.57 3226.57,4367.4
DRIVE1: pad.0@5435,2100 R43A.1 U26.7 U43.4 | length 2895.2
  Top Layer w7: v1(3476.02,2802.5) U43.4@3522.25,2802.5
  Top Layer w10: v1(5460.32,2430.32) 5460.32,2125.32 pad.0@5435,2100 5470,2065 R43A.1@5470,2030
  Top Layer w11: v1(5460.32,2430.32) U26.7@5460.32,2465
  MidLayer1 w8: v1(3476.02,2802.5) 3476.02,2572.75 3738.77,2310 3923.62,2310 4063.62,2450 5440.63,2450 v1(5460.32,2430.32)
DRIVE2: pad.0@4135,2100 R43B.1 U25.7 U43.5 | length 1691.1
  Top Layer w7: v1(3450,2827.5) U43.5@3522.25,2827.5
  Top Layer w10: v1@4160.32,2430.32 v1(4160.32,2430) 4160.32,2125.32 pad.0@4135,2100 4170,2065 R43B.1@4170,2030
  Top Layer w11: v1@4160.32,2430.32 U25.7@4160.32,2465
  MidLayer1 w8: v1(3450,2827.5) 3450,2570 3750.59,2269.41 3792.69,2269.41 3819.28,2296 3929.42,2296 4003.42,2370 4100.32,2370 v1(4160.32,2430)
DRIVE3: pad.0@2835,2100 R43C.1 U24.7 U43.13 | length 1207
  Top Layer w7: v1(3190,2802.5) U43.13@3307.75,2802.5
  Top Layer w10: pad.0@2835,2100 2860.32,2125.32 v1(2860.32,2430.32)
  Top Layer w11: v1(2860.32,2430.32) U24.7@2860.32,2465
  Top Layer w12: pad.0@2835,2100 2870,2065 R43C.1@2870,2030
  MidLayer1 w8: v1(2860.32,2430.32) 2915,2485 3120,2485 3190,2555 v1(3190,2802.5)
  Bottom Layer w7: v1@2860,2430.63 v1(2860.32,2430.32)
DRIVE4: pad.0@1535,2100 R43D.1 U23.7 U42.3 U43.14 | length 3502.7
  Top Layer w7: U42.3@712.5,2525 712.5,2557.5 740,2585 v1(965,2585) ; 1559.95,2414.63 v1(1560.31,2430.32) ; v1(3170,2777.5) U43.14@3307.75,2777.5
  Top Layer w10: v1(1560.31,2430.32) 1560.31,2125.32 pad.0@1535,2100 1570,2065 R43D.1@1570,2030
  Top Layer w11: v1(1560.31,2430.32) U23.7@1560.31,2465
  MidLayer1 w7: v1(965,2585) 1095,2455 1535.63,2455 v1(1560.31,2430.32) 1590,2460 1910,2460 2015,2565 2425,2565 2485,2505 3120,2505 3170,2555 v1(3170,2777.5)
ENC1-A+: J3.39 U20.2 | length 2642.7
  Top Layer w7: U20.2@3365,3270 v1(3365,3330)
  MidLayer1 w6: J3.39@2423.43,4498.94 2423.43,4567.36 2410.79,4580 2219,4580 ccw(c2219,4526) 2180.82,4564.18 2149.82,4533.18 ccw(c2188,4495) 2134,4495 2134,4381 2510,4005 2510,3365 2570,3305 3340,3305 v1(3365,3330)
ENC1-A-: J3.5 U20.1 | length 1689
  Top Layer w6: J3.5@2439.17,4406.42 2439.17,4370.83 2495,4315 2636.02,4315 2829.02,4122 3012,4122 3139,3995 3139,3518 3315,3342 U20.1@3315,3270
ENC1-B+: J3.47 U19.2 | length 2166
  Top Layer w7: U19.2@3365,3650 3365,3695 3385,3715 v1(3520,3715)
  MidLayer1 w6: J3.47@2675.39,4498.94 2675.39,4567.36 2796.03,4688 3407,4688 cw(c3407,4550) 3504.58,4647.58 3559.58,4592.58 cw(c3462,4495) 3600,4495 3600,3795 v1(3520,3715)
ENC1-B-: J3.13 U19.1 | length 1124.4
  Top Layer w6: J3.13@2691.14,4406.42 2691.14,4359.88 2857.02,4194 3044,4194 3211,4027 3211,3826 3315,3722 U19.1@3315,3650
ENC1-I+: J3.53 U18.2 | length 1424.3
  Top Layer w7: U18.2@3365,4030 3365,4075 3385,4095 v1(3520,4095)
  MidLayer1 w6: J3.53@2864.37,4498.94 2864.37,4567.36 2913.01,4616 3407,4616 cw(c3407,4550) 3453.67,4596.67 ; 3453.6,4596.74 cw(c3407,4550) 3453.67,4596.67 ; v1(3520,4095) 3528,4103 3528,4495 ccw(c3462,4495) 3508.67,4541.67 3453.67,4596.67
ENC1-I-: J3.19 U18.1 | length 650.3
  Top Layer w6: J3.19@2880.12,4406.42 2880.12,4359.88 2974,4266 3076,4266 3247,4095 3305,4095 3315,4085 U18.1@3315,4030
ENC2-A+: J3.40 U20.6 | length 2905.1
  Top Layer w7: v1(3390,3345) 3545,3345 3565,3325 U20.6@3565,3270
  MidLayer1 w6: J3.40@2454.92,4544.21 2454.92,4565.87 2428.79,4592 2219,4592 ccw(c2219,4526) 2172.33,4572.67 2141.33,4541.67 ccw(c2188,4495) 2122,4495 2122,4373 2495,4000 2495,3360 2565,3290 3360,3290 3390,3320 v1(3390,3345)
ENC2-A-: J3.6 U20.7 | length 2002.1
  Top Layer w6: J3.6@2470.67,4451.69 2470.67,4370 2510.67,4330 2646.02,4330 2836.02,4140 3020,4140 3157,4003 3157,3526 3308,3375 3580,3375 3615,3340 U20.7@3615,3270
ENC2-B+: J3.48 U19.6 | length 1977.8
  Top Layer w7: v1(3500,3735) 3545,3735 3565,3715 U19.6@3565,3650
  MidLayer1 w6: J3.48@2706.89,4544.21 2706.89,4565.87 2817.02,4676 3407,4676 cw(c3407,4550) 3496.1,4639.1 3551.1,4584.1 cw(c3462,4495) 3588,4495 3588,3823 v1(3500,3735)
ENC2-B-: J3.14 U19.7 | length 1440.8
  Top Layer w6: J3.14@2722.64,4451.69 2722.64,4353.39 2864.02,4212 3052,4212 3229,4035 3229,3834 3308,3755 3580,3755 3615,3720 U19.7@3615,3650
ENC2-I+: J3.54 U18.6 | length 1236.1
  Top Layer w7: v1(3500,4115) 3545,4115 3565,4095 U18.6@3565,4030
  MidLayer1 w6: J3.54@2895.87,4544.21 2895.87,4565.87 2934,4604 3407,4604 cw(c3407,4550) 3445.18,4588.18 3500.18,4533.18 cw(c3462,4495) 3516,4495 3516,4131 v1(3500,4115)
ENC2-I-: J3.20 U18.7 | length 976.6
  Top Layer w6: J3.20@2911.61,4451.69 2911.61,4353.39 2981,4284 3084,4284 3233,4135 3580,4135 3615,4100 U18.7@3615,4030
ENC3-A+: J3.41 U20.10 | length 3184
  Top Layer w7: v1(3465,3415) 3595,3415 3615,3435 U20.10@3615,3490
  MidLayer1 w6: J3.41@2486.42,4498.94 2486.42,4567.36 2449.78,4604 2219,4604 ccw(c2219,4526) 2163.85,4581.15 2132.85,4550.15 ccw(c2188,4495) 2110,4495 2110,4365 2480,3995 2480,3355 2560,3275 3380,3275 3410,3305 3410,3420 3425,3435 3445,3435 v1(3465,3415)
ENC3-A-: J3.7 U20.9 | length 1970
  Top Layer w6: J3.7@2502.17,4406.42 2502.17,4370 2522.17,4350 2651.02,4350 2843.02,4158 3028,4158 3175,4011 3175,3534 3319,3390 3640,3390 3665,3415 U20.9@3665,3490
ENC3-B+: J3.49 U19.10 | length 1915.4
  Top Layer w7: v1(3520,3795) 3595,3795 3615,3815 U19.10@3615,3870
  MidLayer1 w6: J3.49@2738.39,4498.94 2738.39,4567.36 2835.02,4664 3407,4664 cw(c3407,4550) 3487.61,4630.61 3542.61,4575.61 cw(c3462,4495) 3576,4495 3576,3851 v1(3520,3795)
ENC3-B-: J3.15 U19.9 | length 1412.4
  Top Layer w6: J3.15@2754.13,4406.42 2754.13,4346.89 2871.02,4230 3060,4230 3247,4043 3247,3842 3319,3770 3640,3770 3665,3795 U19.9@3665,3870
ENC3-I+: J3.55 U18.10 | length 1213.2
  Top Layer w7: v1(3425,4175) 3595,4175 3615,4195 U18.10@3615,4250
  MidLayer1 w6: J3.55@2927.36,4498.94 2927.36,4567.36 2952,4592 3368,4592 3408,4552 3408,4192 v1(3425,4175)
ENC3-I-: J3.21 U18.9 | length 948.3
  Top Layer w6: J3.21@2943.11,4406.42 2943.11,4346.89 2988,4302 3092,4302 3244,4150 3640,4150 3665,4175 U18.9@3665,4250
ENC4-A+: J3.42 U20.14 | length 3046.4
  Top Layer w7: U20.14@3415,3490 3415,3435 v1(3435,3415)
  MidLayer1 w6: J3.42@2517.91,4544.21 2517.91,4572.09 2474,4616 2219,4616 ccw(c2219,4526) 2155.36,4589.64 2124.36,4558.64 ccw(c2188,4495) 2098,4495 2098,4357 2465,3990 2465,3350 2555,3260 3390,3260 3435,3305 v1(3435,3415)
ENC4-A-: J3.8 U20.15 | length 1633
  Top Layer w6: J3.8@2533.66,4451.69 2533.66,4380 2548.66,4365 2661.02,4365 2850.02,4176 3036,4176 3193,4019 3193,3542 3305,3430 3360,3430 3365,3435 U20.15@3365,3490
ENC4-B+: J3.50 U19.14 | length 1798.5
  Top Layer w7: U19.14@3415,3870 3415,3820 3440,3795 v1(3490,3795)
  MidLayer1 w6: J3.50@2769.88,4544.21 2769.88,4565.87 2787.64,4583.62 2856.02,4652 3407,4652 cw(c3407,4550) 3479.12,4622.12 3534.12,4567.12 cw(c3462,4495) 3564,4495 3564,3869 v1(3490,3795)
ENC4-B-: J3.16 U19.15 | length 1079.3
  Top Layer w6: J3.16@2785.63,4451.69 2785.63,4340.39 2878.02,4248 3068,4248 3265,4051 3265,3850 3305,3810 3350,3810 3365,3825 U19.15@3365,3870
ENC4-I+: J3.56 U18.14 | length 921.4
  Top Layer w7: v1(3395,4175) 3415,4195 U18.14@3415,4250
  MidLayer1 w6: J3.56@2958.86,4544.21 2994.65,4580 3363.03,4580 3396,4547.03 3396,4176 v1(3395,4175)
ENC4-I-: J3.22 U18.15 | length 571.4
  Top Layer w6: J3.22@2974.61,4451.69 2974.61,4340.39 2995,4320 3350,4320 3365,4305 U18.15@3365,4250
ENC-A1: J2.26 U20.3 | length 621.8
  Top Layer w7: U20.3@3415,3270 3415,3215 3431,3199 3694,3199 3730,3235 3730,3351.26 J2.26@3810.63,3431.89
ENC-A2: J2.24 U20.5 | length 566.8
  Top Layer w7: U20.5@3515,3270 3515,3225 3525,3215 3685,3215 3710,3240 3710,3410 J2.24@3810.63,3510.63
ENC-A3: J2.22 U20.11 | length 313.2
  Top Layer w7: U20.11@3565,3490 3565,3535 3575,3545 3766.26,3545 J2.22@3810.63,3589.37
ENC-A4: J2.20 U20.13 | length 448.7
  Top Layer w7: U20.13@3465,3490 3465,3540 3487,3562 3704.52,3562 J2.20@3810.63,3668.11
ENC-B1: J2.18 U19.3 | length 557.4
  Top Layer w7: U19.3@3415,3650 3415,3595 3431,3579 3695,3579 3730,3614 3730,3666.22 J2.18@3810.63,3746.85
ENC-B2: J2.16 U19.5 | length 501.8
  Top Layer w7: U19.5@3515,3650 3515,3605 3525,3595 3685,3595 3710,3620 3710,3724.96 J2.16@3810.63,3825.59
ENC-B3: J2.14 U19.11 | length 303.3
  Top Layer w7: U19.11@3565,3870 3565,3915 3575,3925 3789.96,3925 J2.14@3810.63,3904.33
ENC-B4: J2.12 U19.13 | length 421.8
  Top Layer w7: U19.13@3465,3870 3465,3920 3487,3942 3710,3942 3767.56,3942 3769.56,3942 J2.12@3810.63,3983.07
ENC-I1: J2.10 U18.3 | length 499.8
  Top Layer w7: U18.3@3415,4030 3415,3975 3431,3959 3645,3959 3703.82,3959 3707.82,3959 J2.10@3810.63,4061.81
ENC-I2: J2.8 U18.5 | length 436.7
  Top Layer w7: U18.5@3515,4030 3515,3985 3525,3975 3685,3975 3710,4000 3710,4039.92 J2.8@3810.63,4140.55
ENC-I3: J2.6 U18.11 | length 330.3
  Top Layer w7: U18.11@3565,4250 3565,4295 3575,4305 3724.92,4305 J2.6@3810.63,4219.29
ENC-I4: J2.4 U18.13 | length 442.5
  Top Layer w7: U18.13@3465,4250 3465,4315 3495,4345 3763.6,4345 J2.4@3810.63,4298.03
FB-IA: R44A.2 U40A.1 | length 219
  Top Layer w12: R44A.2@5565,2265 5570,2260 5595,2260 5600,2255 5622,2255 5636,2241 5636,2145 5643.5,2137.5 U40A.1@5675,2137.5
FB-IB: R44B.2 U40B.1 | length 219
  Top Layer w12: R44B.2@4265,2265 4270,2260 4295,2260 4300,2255 4322,2255 4336,2241 4336,2145 4343.5,2137.5 U40B.1@4375,2137.5
FB-IC: R44C.2 U40C.1 | length 219
  Top Layer w12: R44C.2@2965,2265 2970,2260 2995,2260 3000,2255 3022,2255 3036,2241 3036,2145 3043.5,2137.5 U40C.1@3075,2137.5
FB-ID: R44D.2 U40D.1 | length 219
  Top Layer w12: R44D.2@1665,2265 1670,2260 1695,2260 1700,2255 1722,2255 1736,2241 1736,2145 1743.5,2137.5 U40D.1@1775,2137.5
FB-VA: R42A.1 R47A.1 U40A.3 | length 258.5
  Top Layer w12: U40A.3@5675,2212.5 5712.5,2212.5 5735,2190 5735,2100 5745,2090 R42A.1@5770,2090 R47A.1@5770,2030
FB-VB: R42B.1 R47B.1 U40B.3 | length 214.7
  Top Layer w12: U40B.3@4375,2212.5 4412.5,2212.5 4440,2185 4440,2170 ; R47B.1@4420,2085 4420,2150 4440,2170 ; R42B.1@4470,2170 4440,2170
FB-VC: R42C.1 R47C.1 U40C.3 | length 214.7
  Top Layer w12: U40C.3@3075,2212.5 3112.5,2212.5 3140,2185 3140,2170 ; R47C.1@3120,2085 3120,2150 3140,2170 ; R42C.1@3170,2170 3140,2170
FB-VD: R42D.1 R47D.1 U40D.3 | length 214.7
  Top Layer w12: U40D.3@1775,2212.5 1812.5,2212.5 1840,2185 1840,2170 ; R47D.1@1820,2085 1820,2150 1840,2170 ; R42D.1@1870,2170 1840,2170